# Allegro board 6089-103-RevB_76.brd (continued)
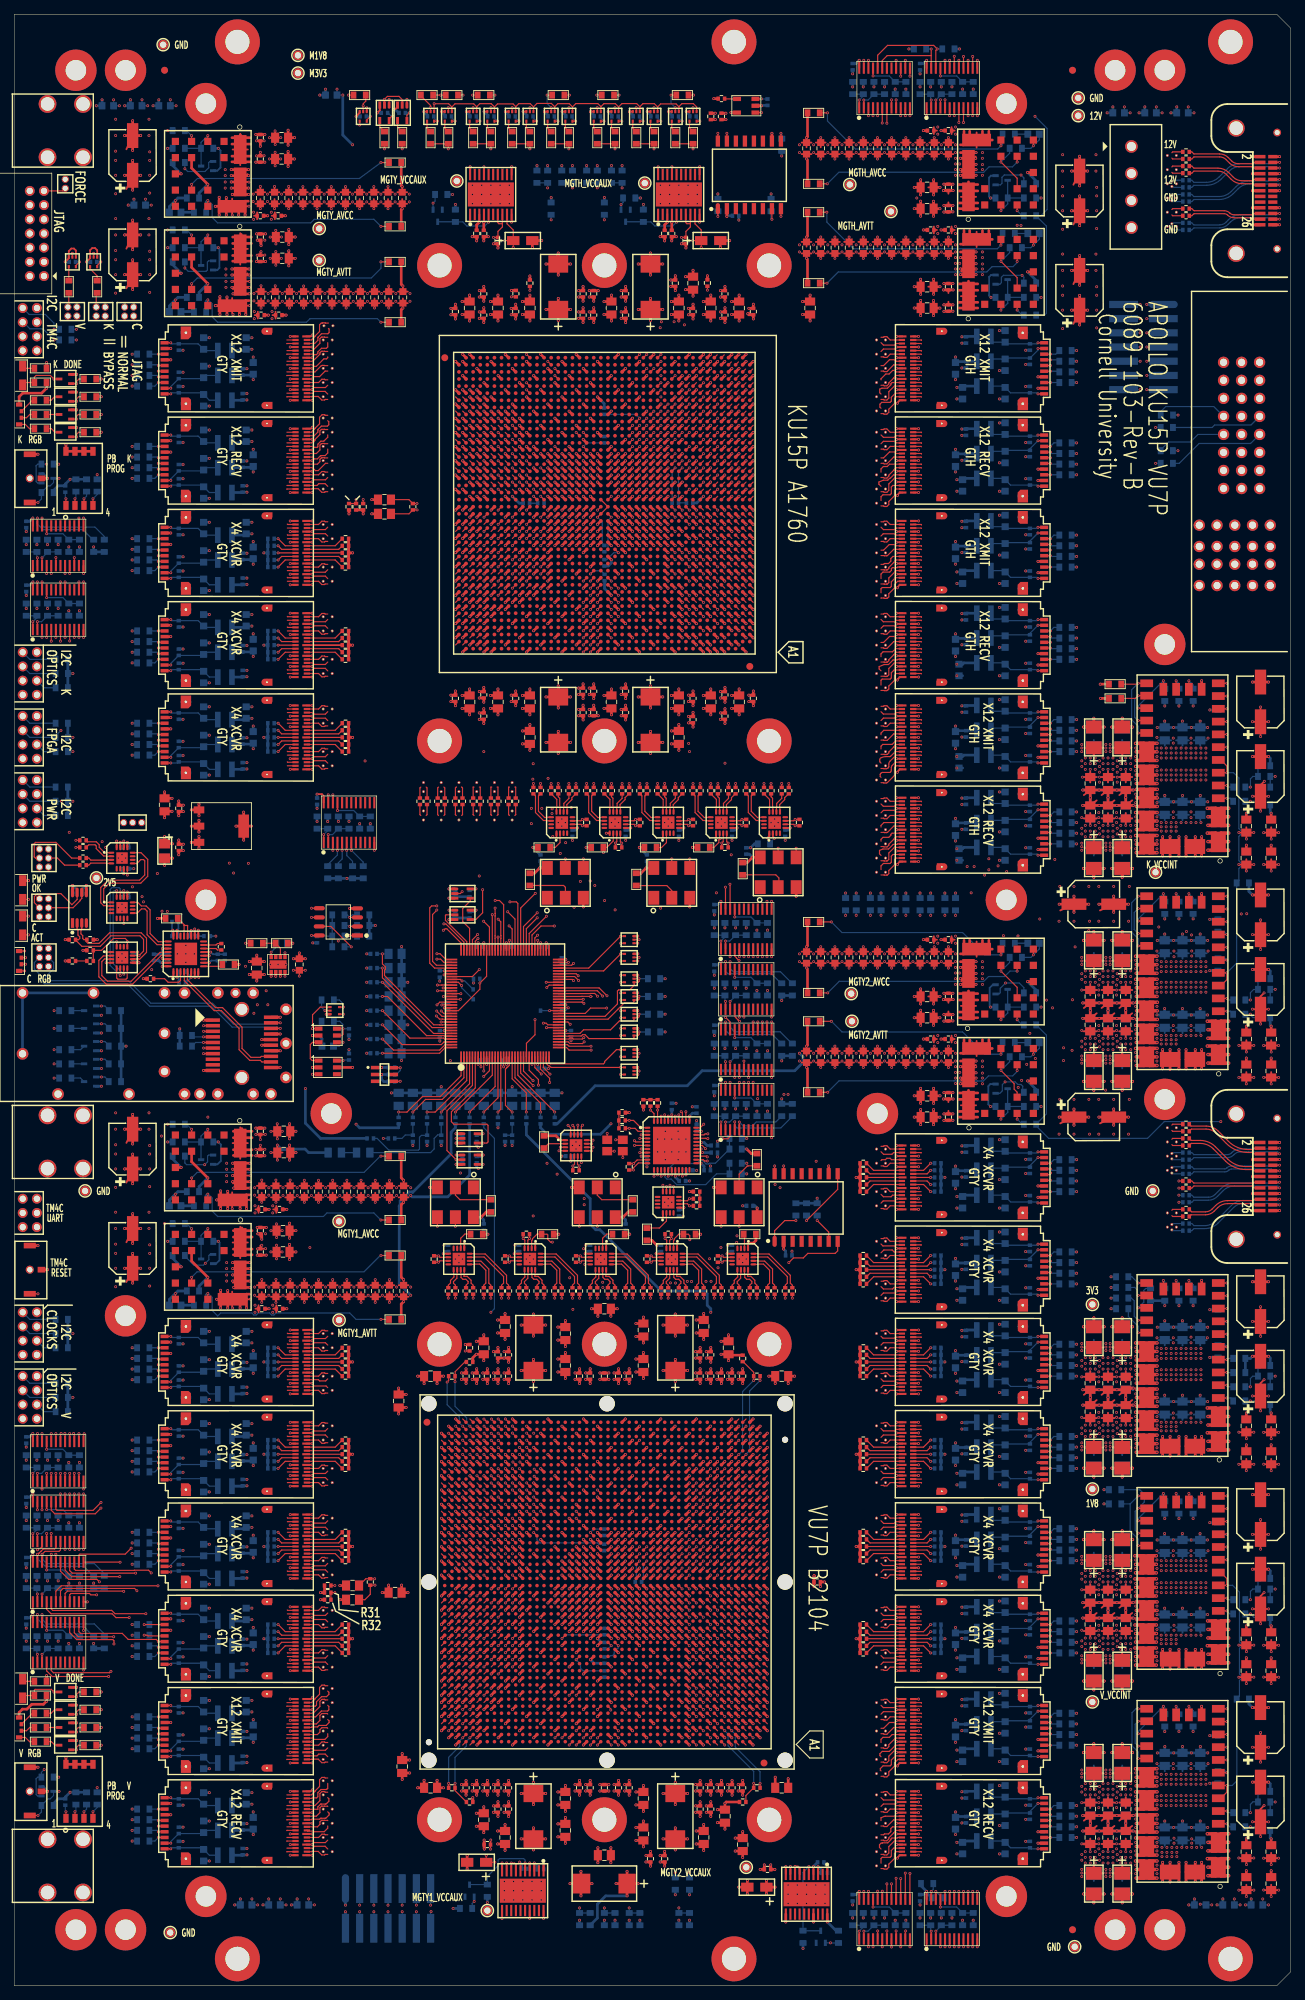
[diagram p0: board, top side]
## Routing (per net, layer and track width the routed paths; a pad name or vN(x,y) marks a point on that pad's centre or on a via; arc(x,y) is an arc through that point) (continued)
PK_FF7_RECV7: length 28.4
  TOP w0.165: U65.AM41 63.23,219.87 ; 38.45,215.37 38.45,215.4 U21.B9
  SIG2 w0.083: 63.23,219.87 62.91,219.87 62.83,219.79 62.83,219.62 arc(62.75,219.41) 62.54,219.33 61.92,219.33 arc(61.51,219.25) 61.16,219.01 60.74,218.59 arc(59.91,218.03) 58.93,217.84 43.84,217.84 arc(43.03,217.68) 42.34,217.22 41.2,216.08 arc(40.59,215.67) 39.87,215.53 38.61,215.53 38.45,215.37
PK_FF7_RECV8: length 26.8
  TOP w0.165: 44.2,218.52 44.2,218.19 43.64,217.64 43.23,217.64 42.81,217.21 42.81,216.85 42.73,216.77 42.19,216.77 42.06,216.9 U21.A6 ; U65.AN39 65.23,220.87
  SIG4 w0.083: 65.23,220.87 64.91,220.87 64.83,220.79 64.83,220.55 arc(64.75,220.34) 64.54,220.25 62.09,220.25 arc(61.5,220.14) 61,219.8 60.34,219.15 arc(59.93,218.87) 59.44,218.77 45.44,218.77 arc(45.36,218.76) 45.28,218.71 45.22,218.64 arc(45.08,218.55) 44.92,218.52 44.2,218.52
PK_FF7_RECV9: length 28.6
  TOP w0.165: U21.B6 38.45,216.9 38.45,216.87 ; U65.AP41 63.23,221.87
  SIG2 w0.083: 38.45,216.87 38.61,217.03 40.01,217.03 arc(40.58,217.14) 41.07,217.47 42.88,219.28 arc(43.57,219.74) 44.38,219.9 58.98,219.9 arc(59.78,220.06) 60.46,220.51 60.65,220.7 arc(61.24,221.1) 61.95,221.24 62.54,221.24 arc(62.75,221.32) 62.83,221.53 62.83,221.79 62.91,221.87 63.23,221.87
PK_FF7_RECV10: length 27.2
  TOP w0.165: U21.A3 42.28,218.4 42.81,218.92 42.81,219.21 42.85,219.26 42.85,219.3 43.31,219.76 44.15,219.76 44.35,219.95 44.35,220.37 44.2,220.52 ; U65.AR39 65.23,222.87
  SIG4 w0.083: 65.23,222.87 64.91,222.87 64.83,222.79 64.83,222.63 arc(64.73,222.39) 64.49,222.29 62.08,222.29 arc(61.62,222.2) 61.24,221.94 60.8,221.5 arc(60.04,220.99) 59.16,220.82 45.43,220.82 arc(45.36,220.8) 45.29,220.76 45.15,220.62 arc(45.04,220.54) 44.91,220.52 44.2,220.52
PK_FF7_RECV11: length 28.8
  TOP w0.165: U65.AT41 63.23,223.87 ; U21.B3 38.45,218.4 38.45,218.37
  SIG2 w0.083: 63.23,223.87 62.91,223.87 62.83,223.79 62.83,223.62 arc(62.75,223.41) 62.54,223.32 62.46,223.32 arc(61.87,223.21) 61.38,222.88 60.94,222.44 arc(60.29,222) 59.51,221.85 44.53,221.85 arc(43.86,221.72) 43.28,221.33 41.9,219.95 41.89,219.95 40.97,219.02 arc(40.42,218.66) 39.77,218.53 38.61,218.53 38.45,218.37
PK_FF7_XMIT0: length 39.6
  TOP w0.165: U65.AC34 70.23,210.87 ; 38.45,223.87 38.45,223.9 U20.B18
  SIG3 w0.083: 70.23,210.87 69.91,210.87 69.83,210.79 69.83,210.62 arc(69.72,210.36) 69.46,210.25 61.31,210.25 arc(60.41,210.43) 59.65,210.94 53.92,216.67 48.19,222.4 arc(47.75,222.7) 47.22,222.8 44.24,222.8 arc(43.81,222.89) 43.44,223.13 42.92,223.65 arc(42.5,223.93) 42.01,224.03 38.61,224.03 38.45,223.87
PK_FF7_XMIT1: length 33.3
  TOP w0.165: 44.2,223.52 43.84,223.52 43.76,223.44 43.36,223.44 42.86,223.94 41.98,223.94 41.94,223.9 U20.A18 ; U65.AD36 68.23,211.87
  SIG1 w0.083: 68.23,211.87 67.91,211.87 67.83,211.79 67.83,211.55 67.81,211.42 67.67,211.29 67.66,211.27 67.61,211.26 67.59,211.24 67.52,211.24 67.46,211.23 67.44,211.24 67.42,211.24 61.37,211.24 arc(59.95,211.52) 58.74,212.33 48.28,222.79 arc(47.19,223.52) 45.9,223.77 45.47,223.77 arc(45.36,223.75) 45.27,223.69 45.21,223.63 arc(45.08,223.55) 44.94,223.52 44.2,223.52
PK_FF7_XMIT2: length 39.3
  TOP w0.165: U20.B15 38.45,225.4 38.45,225.37 ; U65.AE34 70.23,212.87
  SIG3 w0.083: 38.45,225.37 38.61,225.53 42.37,225.53 arc(42.69,225.46) 42.97,225.28 43.03,225.22 arc(43.44,224.94) 43.92,224.85 46.99,224.85 arc(47.7,224.71) 48.3,224.31 59.35,213.26 arc(60.39,212.56) 61.62,212.32 69.47,212.32 arc(69.72,212.42) 69.83,212.68 69.83,212.79 69.91,212.87 70.23,212.87
PK_FF7_XMIT3: length 33.3
  TOP w0.165: 44.2,225.52 43.88,225.2 42.26,225.2 42.06,225.4 U20.A15 ; U65.AF36 68.23,213.87
  SIG1 w0.083: 44.2,225.52 44.97,225.52 arc(45.11,225.55) 45.22,225.62 45.26,225.66 arc(45.42,225.76) 45.6,225.8 46.43,225.8 arc(47.44,225.6) 48.31,225.02 59.23,214.1 arc(60.11,213.51) 61.16,213.3 67.53,213.3 arc(67.62,213.32) 67.69,213.37 67.78,213.45 arc(67.82,213.51) 67.83,213.58 67.83,213.79 67.91,213.87 68.23,213.87
PK_FF7_XMIT4: length 41.6
  TOP w0.165: U20.B12 38.45,226.9 38.45,226.87 ; U65.AF32 72.23,213.87
  SIG3 w0.083: 72.23,213.87 71.91,213.87 71.83,213.79 71.83,213.67 arc(71.73,213.42) 71.48,213.32 61.99,213.32 arc(61.37,213.44) 60.84,213.79 48.16,226.47 arc(47.69,226.79) 47.13,226.9 44.27,226.9 arc(44.07,226.92) 43.87,226.98 arc(43.76,227.02) 43.65,227.03 38.61,227.03 38.45,226.87
PK_FF7_XMIT5: length 36
  TOP w0.165: U20.A12 42.06,226.9 42.22,226.74 43.06,226.74 43.84,227.52 44.2,227.52 ; U65.AG34 70.23,214.87
  SIG1 w0.083: 70.23,214.87 69.91,214.87 69.83,214.79 69.83,214.43 69.63,214.22 62.21,214.22 arc(61.08,214.44) 60.12,215.09 48.16,227.05 arc(47.36,227.59) 46.42,227.77 45.58,227.77 arc(45.37,227.73) 45.19,227.61 arc(45.1,227.56) 45.02,227.53 arc(44.97,227.52) 44.93,227.52 44.2,227.52
PK_FF7_XMIT6: length 37.8
  TOP w0.165: U20.B9 38.45,228.4 38.45,228.37 ; U65.AH36 68.23,215.87
  SIG3 w0.083: 38.45,228.37 38.61,228.53 43.63,228.53 arc(43.85,228.57) 44.03,228.69 44.13,228.79 arc(44.24,228.86) 44.37,228.89 47.09,228.89 arc(47.34,228.84) 47.55,228.7 60.32,215.92 arc(61.1,215.4) 62.02,215.22 67.46,215.22 arc(67.58,215.24) 67.68,215.31 67.74,215.37 arc(67.81,215.48) 67.83,215.6 67.83,215.79 67.91,215.87 68.23,215.87
PK_FF7_XMIT7: length 38.7
  TOP w0.165: U65.AH32 72.23,215.87 ; U20.A9 42.06,228.4 42.28,228.18 42.59,228.18 43.65,229.24 44.03,229.24 44.2,229.4 44.2,229.52
  SIG1 w0.083: 72.23,215.87 71.91,215.87 71.83,215.79 71.83,215.43 71.63,215.22 62.4,215.22 arc(61.81,215.34) 61.31,215.67 47.99,228.98 arc(47.1,229.58) 46.05,229.79 45.7,229.79 arc(45.47,229.76) 45.26,229.65 arc(45.04,229.55) 44.81,229.52 44.2,229.52
PK_FF7_XMIT8: length 40.3
  TOP w0.165: U65.AJ34 70.23,216.87 ; U20.B6 38.45,229.9 38.45,229.87
  SIG3 w0.083: 70.23,216.87 69.91,216.87 69.83,216.79 69.83,216.64 arc(69.73,216.4) 69.49,216.3 62.24,216.3 arc(61.77,216.39) 61.38,216.66 47.55,230.49 arc(47.09,230.79) 46.55,230.9 43.97,230.9 arc(43.58,230.82) 43.26,230.61 43.01,230.36 arc(42.64,230.11) 42.22,230.03 38.61,230.03 38.45,229.87
PK_FF7_XMIT9: length 35.2
  TOP w0.165: 44.2,231.52 44.2,230.91 44.01,230.73 43.32,230.73 42.81,230.21 42.81,230.03 42.61,229.83 42.13,229.83 42.06,229.9 U20.A6 ; U65.AK36 68.23,217.87
  SIG1 w0.083: 68.23,217.87 67.91,217.87 67.83,217.79 67.83,217.49 arc(67.82,217.43) 67.78,217.38 67.68,217.27 arc(67.62,217.23) 67.55,217.22 62.55,217.22 arc(61.81,217.37) 61.17,217.79 48.01,230.96 arc(47.08,231.58) 45.98,231.8 45.67,231.8 arc(45.47,231.75) 45.29,231.64 arc(45.16,231.55) 45.01,231.52 44.2,231.52
PK_FF7_XMIT10: length 40.4
  TOP w0.165: U20.B3 38.45,231.4 38.45,231.37 ; U65.AL34 70.23,218.87
  SIG3 w0.083: 70.23,218.87 69.91,218.87 69.83,218.79 69.83,218.67 arc(69.72,218.41) 69.46,218.3 62.19,218.3 arc(61.62,218.41) 61.13,218.74 47.51,232.36 arc(47.02,232.69) 46.45,232.8 44.26,232.8 arc(43.79,232.71) 43.39,232.44 42.92,231.97 arc(42.43,231.64) 41.86,231.53 38.61,231.53 38.45,231.37
PK_FF7_XMIT11: length 35.6
  TOP w0.165: 44.3,233.52 44.39,233.43 44.39,232.94 44.23,232.77 43.32,232.77 42.85,232.3 42.85,232.26 42.81,232.22 42.81,231.85 42.36,231.4 U20.A3 ; U65.AM36 68.23,219.87
  SIG1 w0.083: 44.3,233.52 44.94,233.52 arc(45.15,233.56) 45.33,233.68 arc(45.46,233.77) 45.62,233.8 46.38,233.8 arc(47.14,233.65) 47.78,233.22 61.3,219.7 arc(61.8,219.37) 62.39,219.25 67.48,219.25 arc(67.61,219.28) 67.73,219.35 67.78,219.4 arc(67.82,219.46) 67.83,219.53 67.83,219.7 arc(67.85,219.78) 67.89,219.85 67.91,219.87 68.23,219.87
PK_GTH_OSC: length 9.3
  TOP w0.165: R152.2 v1(110.09,163.45) 109.89,163.65 U96.6 ; U97.4 v1(110.24,160.28)
  SIG1 w0.083: v1(110.09,163.45) 109.72,163.83 109.45,163.83 109.04,163.42 109.04,162.56 109.5,162.11 109.5,160.54 109.58,160.46 110.56,160.46 v1(110.24,160.28)
PK_GTY_OSC: length 10.8
  TOP w0.165: R112.2 v1(80.09,163.45) 79.89,163.65 U58.6 ; U59.4 v1(80.24,158.78)
  SIG1 w0.083: v1(80.24,158.78) 79.16,158.78 79.07,158.86 79.07,160.44 79.37,160.73 79.37,162.21 79.01,162.57 79.01,163.5 79.31,163.8 79.74,163.8 v1(80.09,163.45)
PK_TEST_CONN_0: length 83.8
  TOP w0.165: U65.BB17 v1(88.17,229.87)
  SIG2 w0.083: v1(88.17,229.87) 88.49,229.87 88.57,229.96 88.57,230.16 88.99,230.58 96.91,230.58 106.35,240.03 107.57,240.03 109.78,242.24 130.73,242.24 132.71,240.26 152.53,240.26 157.28,235.51 157.28,235.26 158.35,234.19 159.05,234.19 159.34,234.48 158.92,234.9 v1(158.74,234.9)
  BOTTOM w0.165: J18.4 v1(158.74,234.9)
PK_TEST_CONN_1: length 80.8
  TOP w0.165: U65.BA14 v1(91.17,228.87)
  SIG2 w0.083: v1(158.74,232.9) 159.01,232.9 159.1,232.98 159.1,233.31 159.01,233.39 156.24,233.39 151.36,238.27 150.6,238.27 150.34,238.53 150.06,238.53 149.8,238.27 148.22,238.27 147.94,238.55 147.66,238.55 147.38,238.27 130.49,238.27 127.94,240.82 111.29,240.82 104.34,233.87 101.31,233.87 97.83,230.39 97.83,230.02 97.83,229.63 97.46,229.27 91.26,229.27 91.17,229.19 v1(91.17,228.87)
  BOTTOM w0.165: J18.6 v1(158.74,232.9)
PK_TEST_CONN_2: length 81.2
  TOP w0.165: U65.AY16 v1(89.17,227.87)
  SIG2 w0.083: v1(89.17,227.87) 89.49,227.87 89.57,227.96 89.57,228.16 89.87,228.46 98.25,228.46 98.55,228.76 98.55,230.6 101.33,233.38 105.4,233.38 108.96,236.94 126.64,236.94 126.65,236.96 127.11,236.96 127.13,236.94 129.22,236.94 130.65,235.51 144.59,235.51 148.94,231.16 156.5,231.16 157.18,230.49 158.8,230.49 159.01,230.7 159.1,230.7 159.1,230.82 159.01,230.9 v1(158.74,230.9)
  BOTTOM w0.165: J18.8 v1(158.74,230.9)
PK_TEST_CONN_3: length 80.5
  TOP w0.165: U65.AU14 v1(91.17,224.87)
  SIG2 w0.083: v1(91.17,224.87) 91.17,225.19 91.28,225.3 99.1,225.3 99.76,225.95 99.76,229.95 99.76,229.95 99.76,230.28 102.03,232.55 115.28,232.55 117.32,234.6 143.03,234.6 148.18,229.45 158.75,229.45 159.1,229.1 159.1,228.98 159.01,228.9 v1(158.74,228.9)
  BOTTOM w0.165: J18.10 v1(158.74,228.9)
PK_TEST_CONN_4: length 82.8
  TOP w0.165: U65.AR13 v1(92.17,222.87)
  SIG2 w0.083: v1(92.17,222.87) 92.49,222.87 92.57,222.96 92.57,223.16 92.92,223.51 100.38,223.51 100.54,223.66 100.54,230.23 100.9,230.58 103.68,230.58 103.89,230.38 116.69,230.38 120.34,234.03 136.03,234.03 142.8,227.26 145.54,227.26 146.34,226.46 157.41,226.46 157.64,226.22 158.87,226.22 159.1,226.45 159.1,226.82 159.01,226.9 v1(158.74,226.9)
  BOTTOM w0.165: J18.12 v1(158.74,226.9)
PK_TEST_CONN_5: length 82.7
  TOP w0.165: U65.AP13 v1(92.17,221.87)
  SIG2 w0.083: v1(158.74,224.9) 158.8,224.9 159.14,224.57 158.88,224.31 146.37,224.31 144.77,225.91 135.83,225.91 131.89,221.97 129.03,221.97 arc(128.26,222.12) 127.61,222.56 126.54,223.63 arc(125.97,224) 125.31,224.14 125.18,224.14 arc(124.7,224.23) 124.3,224.5 124.19,224.61 arc(123.76,224.9) 123.25,225 112,225 arc(110.9,225.22) 109.96,225.84 106.88,228.93 arc(106.23,229.36) 105.46,229.51 101.85,229.51 101.53,229.19 101.53,228.01 101.58,227.96 101.58,222.64 101.41,222.48 92.89,222.48 92.57,222.16 92.57,221.96 92.49,221.87 v1(92.17,221.87)
  BOTTOM w0.165: J18.14 v1(158.74,224.9)
PK_TTS_OUT: length 110.9
  TOP w0.165: U65.G23 v1(81.23,193.93)
  SIG3 w0.083: 3.56,146.17 4.1,146.7 4.1,147.88 6.98,150.76 6.98,157.83 18.05,168.9 44.5,168.9 50.7,175.1 50.7,188.3 55.93,193.53 81.14,193.53 81.23,193.61 v1(81.23,193.93)
PK_UTIL_CLK: length 11
  TOP w0.165: U79.6 94.89,163.65 v1(95.09,163.45) R137.2 ; U82.4 v1(95.24,158.78)
  SIG2 w0.083: v1(95.09,163.45) 95.09,163.71 95.01,163.8 94.39,163.8 93.91,163.32 93.91,162.91 94.33,162.49 94.33,160.55 94.07,160.3 94.07,158.86 94.16,158.78 v1(95.24,158.78)
PKV_SPARE0: length 149.7
  TOP w0.165: U66.BA34 72.23,74.88 72.23,74.81 v1(72.25,74.81) ; U65.B23 v1(81.23,188.93)
  SIG3 w0.083: v1(81.23,188.93) 81.54,188.93 81.62,188.84 81.62,188.73 81.4,188.51 63.85,188.51 63.57,188.23 63.57,172.88 61.45,170.76 61.45,163.25 61.94,162.77 61.94,128.68 arc(61.86,128.35) 61.69,128.05 arc(61.44,127.6) 61.35,127.09 61.35,106.66 arc(61.49,105.98) 61.87,105.4 63.07,104.21 arc(63.42,103.68) 63.55,103.05 63.55,98.16 arc(63.44,97.61) 63.12,97.14 62.96,96.98 arc(62.63,96.48) 62.51,95.88 62.51,85.22 62.53,85.2 62.53,83.03 arc(62.39,82.3) 61.97,81.68 59.55,79.26 arc(59.28,78.86) 59.19,78.37 59.19,76.52 59.19,76.52 arc(59.28,76.06) 59.51,75.65 arc(59.89,75.35) 60.37,75.24 65.39,75.24 65.39,75.24 66.07,75.24 66.07,75.24 66.38,75.24 71.07,75.24 71.08,75.24 71.38,75.24 71.38,75.24 72.18,75.24 72.23,75.19 72.23,74.81 v1(72.25,74.81)
PKV_SPARE1: length 134.4
  TOP w0.165: v1(68.24,75.84) 68.25,75.84 U66.BB38 ; U65.A24 v1(80.23,187.93)
  SIG3 w0.083: v1(80.23,187.93) 80.54,187.93 80.62,187.84 80.62,187.73 80.36,187.47 69.61,187.47 64.63,182.49 64.63,172.35 63.62,171.34 63.62,121.07 arc(63.69,120.72) 63.89,120.42 63.94,120.36 arc(64.04,120.22) 64.07,120.05 64.07,86.93 arc(64.05,86.82) 63.99,86.74 63.97,86.71 arc(63.85,86.53) 63.81,86.32 63.81,85.38 arc(63.83,85.26) 63.9,85.16 63.96,85.1 arc(64.02,85) 64.05,84.88 64.05,83.77 arc(63.82,82.66) 63.19,81.71 61.9,80.42 arc(61.67,80.08) 61.59,79.69 61.59,77.08 arc(61.66,76.76) 61.84,76.48 61.94,76.38 arc(62.05,76.31) 62.18,76.28 68.05,76.28 68.24,76.09 v1(68.24,75.84)
PKV_SPARE2: length 152.4
  TOP w0.165: U66.AY35 v1(71.3,73.8) ; U65.C24 v1(80.23,189.93)
  SIG3 w0.083: v1(71.3,73.8) 70.98,73.8 70.9,73.73 70.9,73.56 arc(70.88,73.44) 70.82,73.35 70.7,73.23 70.39,73.23 70.39,73.23 70.08,73.23 70.08,73.23 60.56,73.23 arc(60.04,73.33) 59.61,73.62 57.02,76.21 arc(56.71,76.67) 56.6,77.21 56.6,85.29 arc(56.59,85.38) 56.53,85.47 56.41,85.58 arc(56.35,85.68) 56.33,85.79 56.33,85.99 arc(56.35,86.12) 56.43,86.23 56.51,86.32 arc(56.57,86.39) 56.59,86.49 56.59,105.48 arc(56.77,106.4) 57.29,107.18 58.48,108.38 arc(59.12,109.33) 59.35,110.46 59.35,122.29 arc(59.25,122.91) 58.96,123.46 arc(58.84,123.66) 58.73,123.88 arc(58.7,123.99) 58.69,124.11 58.69,162.37 59.13,162.82 59.13,170.22 62.37,173.46 62.37,177.21 60.82,178.75 60.82,183.53 62.67,185.38 62.67,189.16 63.02,189.51 79.94,189.51 80.12,189.51 80.23,189.61 v1(80.23,189.93)
PKV_SPARE3: length 133.5
  TOP w0.165: U65.C22 v1(82.23,189.93) ; U66.BC39 v1(67.25,76.86)
  SIG3 w0.083: v1(67.25,76.86) 67.25,77.02 67.02,77.25 64.26,77.25 arc(64.06,77.29) 63.89,77.41 arc(63.69,77.71) 63.62,78.07 63.62,79.85 arc(63.71,80.31) 63.98,80.71 65.03,81.76 arc(65.41,82.33) 65.55,83 65.55,84.92 arc(65.54,84.98) 65.51,85.04 arc(65.42,85.25) 65.39,85.47 65.39,86.38 65.47,86.72 65.52,86.77 arc(65.54,86.79) 65.55,86.83 65.55,107.06 arc(65.54,107.1) 65.53,107.14 65.26,107.88 arc(65.16,108.12) 65.03,108.33 arc(64.76,108.89) 64.67,109.49 64.67,140.54 arc(64.67,140.58) 64.64,140.61 64.19,141.06 64.19,170.64 66.55,173 66.55,182.23 70.79,186.47 81.29,186.47 83.1,188.28 83.1,189.84 83.01,189.93 v1(82.23,189.93)
PKV_SPARE4: length 161.5
  TOP w0.165: U65.D24 v1(80.23,190.93) ; U66.AV33 v1(73.31,71.8)
  SIG3 w0.083: v1(73.31,71.8) 73.31,72.13 73.43,72.25 73.68,72.25 arc(73.78,72.23) 73.86,72.17 73.91,72.13 73.91,71.72 arc(73.88,71.61) 73.82,71.51 73.77,71.47 60.6,71.47 arc(59.83,71.62) 59.18,72.05 55.26,75.98 arc(54.91,76.49) 54.79,77.1 54.79,84.04 arc(54.74,84.62) 54.57,85.19 arc(54.53,85.3) 54.49,85.42 arc(54.48,85.46) 54.48,85.5 54.48,106.09 arc(54.73,107.36) 55.45,108.44 56.06,109.05 arc(56.59,109.84) 56.78,110.78 56.78,187.1 60.99,191.31 80.44,191.31 80.62,191.13 80.62,191.01 80.54,190.93 v1(80.23,190.93)
PKV_SPARE5: length 159.8
  TOP w0.165: U66.AW35 v1(71.23,72.86) ; U65.E22 v1(82.23,191.93)
  SIG3 w0.083: v1(71.23,72.86) 71.18,72.91 70.93,72.91 70.86,72.83 70.86,72.62 arc(70.83,72.51) 70.77,72.41 70.73,72.38 arc(70.58,72.28) 70.4,72.24 60.5,72.24 arc(59.99,72.34) 59.56,72.63 56.25,75.94 arc(55.87,76.52) 55.73,77.2 55.73,96.15 arc(55.7,96.32) 55.6,96.46 55.47,96.6 arc(55.32,96.82) 55.27,97.07 55.27,105.22 arc(55.55,106.6) 56.33,107.78 56.52,107.97 arc(57.2,108.98) 57.44,110.17 57.44,162.41 58.5,163.47 58.5,173.57 57.64,174.43 57.64,186.9 61.25,190.51 81.52,190.51 81.6,190.59 81.6,191.25 81.85,191.51 82.88,191.51 83.1,191.73 83.1,191.84 83.01,191.93 v1(82.23,191.93)
PKV_SPARE6: length 145.1
  TOP w0.165: U66.BD36 70.23,77.87 v1(70.23,77.88) ; U65.K22 v1(82.23,196.93)
  SIG3 w0.083: v1(82.23,196.93) 82.23,196.71 82.37,196.57 82.87,196.57 83.12,196.82 83.12,197.83 83.85,198.55 86.75,198.55 88.8,196.5 88.8,177.57 83.9,172.66 72.96,172.66 72.03,171.73 72.03,123.46 71.83,123.26 71.83,107.97 arc(71.99,107.16) 72.44,106.48 73.98,104.95 arc(74.23,104.57) 74.32,104.12 74.32,84.22 arc(74.25,83.86) 74.04,83.56 71.32,80.84 arc(70.98,80.32) 70.86,79.71 70.86,78.64 arc(70.84,78.53) 70.77,78.44 70.74,78.4 arc(70.64,78.34) 70.53,78.32 70.39,78.32 70.31,78.23 70.31,77.96 v1(70.23,77.88)
PKV_SPARE7: length 134.4
  TOP w0.165: U65.F21 v1(84.17,192.93) ; U66.BD40 66.29,77.8 66.29,77.82 v1(66.24,77.86)
  SIG3 w0.083: v1(84.17,192.93) 84.49,192.93 84.57,192.84 84.57,185.79 84.02,185.24 71.34,185.24 67.64,181.54 67.64,172.21 66.71,171.27 66.62,171.05 66.62,130.69 66.63,130.56 66.68,130.32 66.78,130.14 66.95,129.98 66.95,114.79 arc(66.9,114.57) 66.78,114.39 66.51,114.12 arc(66.25,113.74) 66.16,113.28 66.16,98.8 arc(66.22,98.51) 66.38,98.27 66.46,98.19 arc(66.54,98.07) 66.57,97.92 66.57,88.31 arc(66.63,88.03) 66.79,87.79 66.93,87.65 arc(67.02,87.52) 67.05,87.36 67.05,86.62 67.01,86.58 67.01,85.22 67.05,85.18 67.05,84.72 67.02,84.69 67.02,83.06 arc(67.01,83) 67.01,82.93 arc(67,82.89) 66.99,82.85 66.91,82.63 arc(66.89,82.59) 66.87,82.56 65.03,80.72 arc(64.81,80.43) 64.68,80.09 arc(64.67,80.03) 64.66,79.96 64.66,78.54 arc(64.75,78.33) 64.96,78.25 65.86,78.25 v1(66.24,77.86)
PKV_SPARE8: length 164.7
  TOP w0.165: U66.AT33 v1(73.24,69.86) ; U65.F24 v1(80.23,192.93)
  SIG3 w0.083: v1(80.23,192.93) 80.57,192.58 80.57,192.53 80.55,192.51 60.73,192.51 53.65,185.43 53.65,123.38 53.62,123.35 53.62,122.87 53.65,122.84 53.65,120.12 54.32,119.45 54.32,109.86 arc(54.21,109.32) 53.9,108.86 53.79,108.75 arc(53.41,108.19) 53.28,107.52 53.28,77.22 arc(53.42,76.49) 53.83,75.87 58.88,70.83 arc(59.48,70.42) 60.2,70.28 61.24,70.28 arc(61.33,70.26) 61.41,70.21 61.49,70.13 arc(61.62,69.94) 61.68,69.72 61.69,69.62 arc(61.73,69.5) 61.79,69.4 61.86,69.33 arc(61.96,69.25) 62.09,69.22 72.41,69.22 arc(72.6,69.26) 72.76,69.37 72.76,69.37 arc(72.82,69.47) 72.84,69.58 72.84,69.78 72.93,69.86 v1(73.24,69.86)
PKV_SPARE9: length 138
  TOP w0.165: U66.BF39 67.31,79.8 67.31,79.86 v1(67.28,79.86) ; U65.H21 v1(84.17,194.93)
  SIG3 w0.083: v1(67.28,79.86) 66.94,79.86 66.86,79.77 66.86,79.63 arc(66.83,79.51) 66.77,79.41 66.7,79.34 arc(66.59,79.27) 66.47,79.25 66.14,79.25 arc(66.01,79.27) 65.91,79.34 65.86,79.39 arc(65.71,79.6) 65.67,79.86 65.67,80.06 arc(65.69,80.19) 65.76,80.29 66.98,81.51 arc(67.11,81.6) 67.25,81.62 67.4,81.62 arc(67.65,81.67) 67.86,81.81 69.88,83.83 arc(70.06,84.11) 70.13,84.44 70.13,90.32 arc(70.04,90.78) 69.78,91.16 67.77,93.18 arc(67.64,93.37) 67.59,93.6 67.59,97.9 arc(67.71,98.51) 68.05,99.02 68.14,99.11 arc(68.49,99.6) 68.64,100.19 arc(68.64,100.25) 68.64,100.32 68.64,128.53 arc(68.62,128.66) 68.55,128.77 68.54,128.77 arc(68.44,128.93) 68.4,129.12 68.4,129.58 arc(68.45,129.82) 68.58,130.02 68.72,130.15 arc(68.76,130.22) 68.78,130.31 68.78,181.68 71.31,184.21 84.27,184.21 85.59,185.53 85.59,194.17 85.41,194.34 84.86,194.34 84.57,194.64 84.57,194.84 84.49,194.93 v1(84.17,194.93)
PKV_SPARE10: length 149
  TOP w0.165: U65.L24 v1(80.23,197.93) ; U66.BC34 72.24,76.88 v1(72.25,76.88)
  SIG3 w0.083: v1(72.25,76.88) 72.25,77.26 72.08,77.43 71.92,77.43 arc(71.71,77.51) 71.63,77.72 71.63,79.76 arc(71.63,79.82) 71.64,79.89 arc(71.81,80.32) 72.09,80.69 74.69,83.29 arc(75.2,84.05) 75.38,84.95 75.38,103.59 75.37,103.59 arc(75.26,104.18) 74.93,104.67 73.36,106.24 arc(72.78,107.11) 72.57,108.15 72.57,123.26 72.33,123.51 72.33,170.22 73.15,171.04 82.95,171.04 89.14,177.23 89.14,182.91 89.14,182.92 89.14,183.38 89.58,183.83 89.58,197.02 87.28,199.32 83.87,199.32 82.78,198.24 82.78,197.7 82.46,197.37 80.89,197.37 80.62,197.64 80.62,197.84 80.54,197.93 v1(80.23,197.93)
PKV_SPARE11: length 135.8
  TOP w0.165: U66.BE38 v1(68.23,78.85) ; U65.K20 v1(85.17,196.93)
  SIG3 w0.083: v1(85.17,196.93) 85.17,196.61 85.26,196.53 85.77,196.53 86.77,195.53 86.77,184.9 85.04,183.16 83.65,183.16 82.56,182.06 82.56,179.65 82.2,179.3 82.19,179.3 81.99,179.09 81.99,179.09 80.71,177.81 73.91,177.81 69.41,173.31 69.41,163.35 70.78,161.97 70.78,107.18 arc(70.63,106.4) 70.18,105.73 69.99,105.54 arc(69.58,104.93) 69.44,104.21 69.44,98.73 arc(69.55,98.18) 69.86,97.71 71.44,96.12 arc(71.88,95.48) 72.03,94.71 72.03,86.47 72.02,86.46 72.02,84.83 arc(71.86,84.07) 71.43,83.42 69.43,81.42 arc(69,80.77) 68.84,80 68.84,79.68 arc(68.82,79.55) 68.75,79.44 68.63,79.32 arc(68.53,79.25) 68.41,79.23 68.29,79.23 68.22,79.16 68.22,78.86 v1(68.23,78.85)
PKV_SPARE12: length 138.5
  TOP w0.165: U66.BE37 v1(69.25,78.85) ; U65.L21 v1(84.17,197.93)
  SIG3 w0.083: v1(84.17,197.93) 84.17,197.61 84.26,197.53 86.67,197.53 87.79,196.41 87.79,184.48 87.28,183.97 87.28,178.43 86.42,177.57 81.41,177.57 80.03,176.19 76.47,176.19 76.44,176.22 74.32,176.22 71.38,173.28 71.38,99.84 arc(71.52,99.14) 71.91,98.55 72.51,97.95 arc(72.76,97.57) 72.85,97.13 72.85,84.38 arc(72.69,83.58) 72.23,82.89 70.2,80.86 arc(69.97,80.52) 69.89,80.12 69.89,79.58 arc(69.87,79.47) 69.81,79.38 69.77,79.34 arc(69.68,79.28) 69.57,79.26 69.33,79.26 69.25,79.17 v1(69.25,78.85)
PSYNTH_CLK0: length 12.9
  TOP w0.165: R132.1 v1(92.65,105.29) 92.41,105.05 92.41,104.58 92.45,104.54 U83.3 ; U81.20 v1(94.2,114.08)
  SIG1 w0.083: v1(94.2,114.08) 94.03,113.91 94.03,110.26 92.3,108.53 92.3,105.37 92.39,105.29 v1(92.65,105.29)
PSYNTH_CLK1: length 42.3
  TOP w0.165: v1(97.7,116.8) 97.6,116.9 U81.25 ; R100.1 v1(72.65,105.29) 72.41,105.05 72.41,104.58 72.45,104.54 U56.3
  SIG1 w0.083: v1(97.7,116.8) 97.93,116.8 97.93,116.8 97.96,116.82 98.46,116.82 98.81,116.47 98.81,115.21 98.1,114.5 98.1,109.75 92.14,103.79 87.69,103.79 85.22,106.26 72.8,106.26 72.3,105.77 72.3,105.37 72.39,105.29 v1(72.65,105.29)
PSYNTH_CLK2: length 46
  TOP w0.165: U87.3 99.95,161.21 v1(99.75,161.01) R143.1 ; v1(97.78,120.03) 97.4,120.03 97.26,119.9 U81.31
  SIG1 w0.083: v1(97.78,120.03) 97.97,120.22 97.97,157.26 100.1,159.38 100.1,160.93 100.01,161.01 v1(99.75,161.01)
PSYNTH_CLK3: length 45.5
  TOP w0.165: v1(94.03,123.16) 94.2,122.99 U81.36 ; R117.1 v1(84.75,161.01) 84.95,161.21 U68.3
  SIG1 w0.083: v1(94.03,123.16) 94.26,123.39 94.26,145.19 85.1,154.35 85.1,160.93 85.01,161.01 v1(84.75,161.01)
PTTCIN: length 19.3
  TOP w0.165: U13.13 34.84,130.96 34.7,130.82 33.37,130.82 32.12,132.07 32.12,135.07 29.37,137.82 28.37,137.82 24.41,141.78 24.41,142.12 24.45,142.16 U14.5
PTTCIN_CLK: length 9.3
  TOP w0.165: U11.9 17.36,151.15 17.94,151.73 18.43,151.73 18.74,151.42 18.74,148.09 20.14,146.69 20.92,146.69 20.96,146.65 U14.26
PTTCIN_CLK1: length 16.5
  TOP w0.165: U12.6 v1(14.95,142.35) ; U11.15 v1(14.95,154.11)
  BOTTOM w0.165: v1(14.95,154.11) 14.95,154.56 14.78,154.72 13.77,154.72 13.53,154.48 13.53,143.77 v1(14.95,142.35)
PTTCIN_CLK2: length 14.8
  TOP w0.165: U10.12 17.88,159.65 18.82,158.71 18.82,156.34 17.85,155.37 13.4,155.37 12.62,154.58 12.62,152.77 12.78,152.61 13.02,152.61 13.06,152.65 U11.1
PTTCIN_DAT: length 16.3
  TOP w0.165: U14.29 20.96,145.15 20.92,145.19 20.74,145.19 16.67,141.12 12.98,141.12 11.94,142.16 11.94,144.48 12.56,145.11 13.02,145.11 13.06,145.15 U12.2
PTTS_OUT: length 41.8
  TOP w0.165: U13.18 v1(37.51,134.9)
  BOTTOM w0.165: 3.56,144.9 2.85,144.18 2.85,143.25 3.84,142.26 3.84,141.6 4.24,141.21 15.92,141.21 19.1,138.03 27.78,138.03 30.72,135.08 37.03,135.08 37.21,134.9 v1(37.51,134.9)
PV_CDR_DATA: length 134.5
  TOP w0.165: U66.AN34 v1(72.25,66.86)
  SIG3 w0.083: 3.56,150.63 4.1,150.1 4.1,149.77 2.65,148.32 2.65,141.86 12.41,132.1 12.7,132.1 27.95,116.85 27.95,78.91 arc(28.18,77.75) 28.83,76.78 32.46,73.15 arc(32.91,72.85) 33.43,72.75 33.55,72.75 arc(33.84,72.69) 34.09,72.52 37.13,69.48 arc(37.36,69.33) 37.63,69.28 42.08,69.28 arc(43.06,69.08) 43.88,68.53 45.34,67.07 arc(46.19,66.51) 47.19,66.31 68.23,66.31 arc(68.44,66.35) 68.62,66.47 68.71,66.56 arc(68.81,66.7) 68.84,66.87 68.84,67.07 arc(68.85,67.12) 68.88,67.16 68.93,67.21 arc(68.98,67.24) 69.03,67.25 72.04,67.25 arc(72.19,67.2) 72.25,67.05 v1(72.25,66.86)
PV_FF1_RECV0: length 65.8
  TOP w0.165: 127.85,117.37 127.85,117.4 U110.B17 126.69,117.4 ; U66.AP2 105.15,67.86
  SIG3 w0.083: 105.15,67.86 105.34,67.86 arc(105.49,67.81) 105.59,67.69 105.68,67.48 arc(105.83,67.31) 106.05,67.24 106.38,67.24 arc(107.02,67.37) 107.56,67.73 112.97,73.14 arc(113.65,74.15) 113.88,75.35 113.88,108.66 arc(113.99,109.19) 114.29,109.64 116.69,112.04 arc(118.03,112.93) 119.61,113.25 120.72,113.25 arc(121.58,113.42) 122.31,113.91 125.6,117.2 arc(125.97,117.45) 126.42,117.54 127.68,117.54 127.85,117.37
PV_FF1_RECV1: length 65.4
  TOP w0.165: 122.2,117.52 122.55,117.17 123.74,117.17 123.98,117.4 U110.A17 ; U66.AR4 103.17,68.87
  SIG3 w0.083: 122.2,117.52 121.51,117.52 arc(121.36,117.55) 121.24,117.63 121.09,117.78 arc(121.01,117.83) 120.91,117.85 119.75,117.85 arc(119.07,117.72) 118.5,117.33 113.04,111.87 arc(112.74,111.42) 112.63,110.89 112.63,75 arc(112.48,74.2) 112.02,73.52 107.28,68.78 arc(106.74,68.42) 106.1,68.29 103.98,68.29 arc(103.87,68.31) 103.77,68.38 103.67,68.47 arc(103.59,68.6) 103.56,68.74 103.56,68.79 103.48,68.87 103.17,68.87
